# KiCad board Left.kicad_pcb
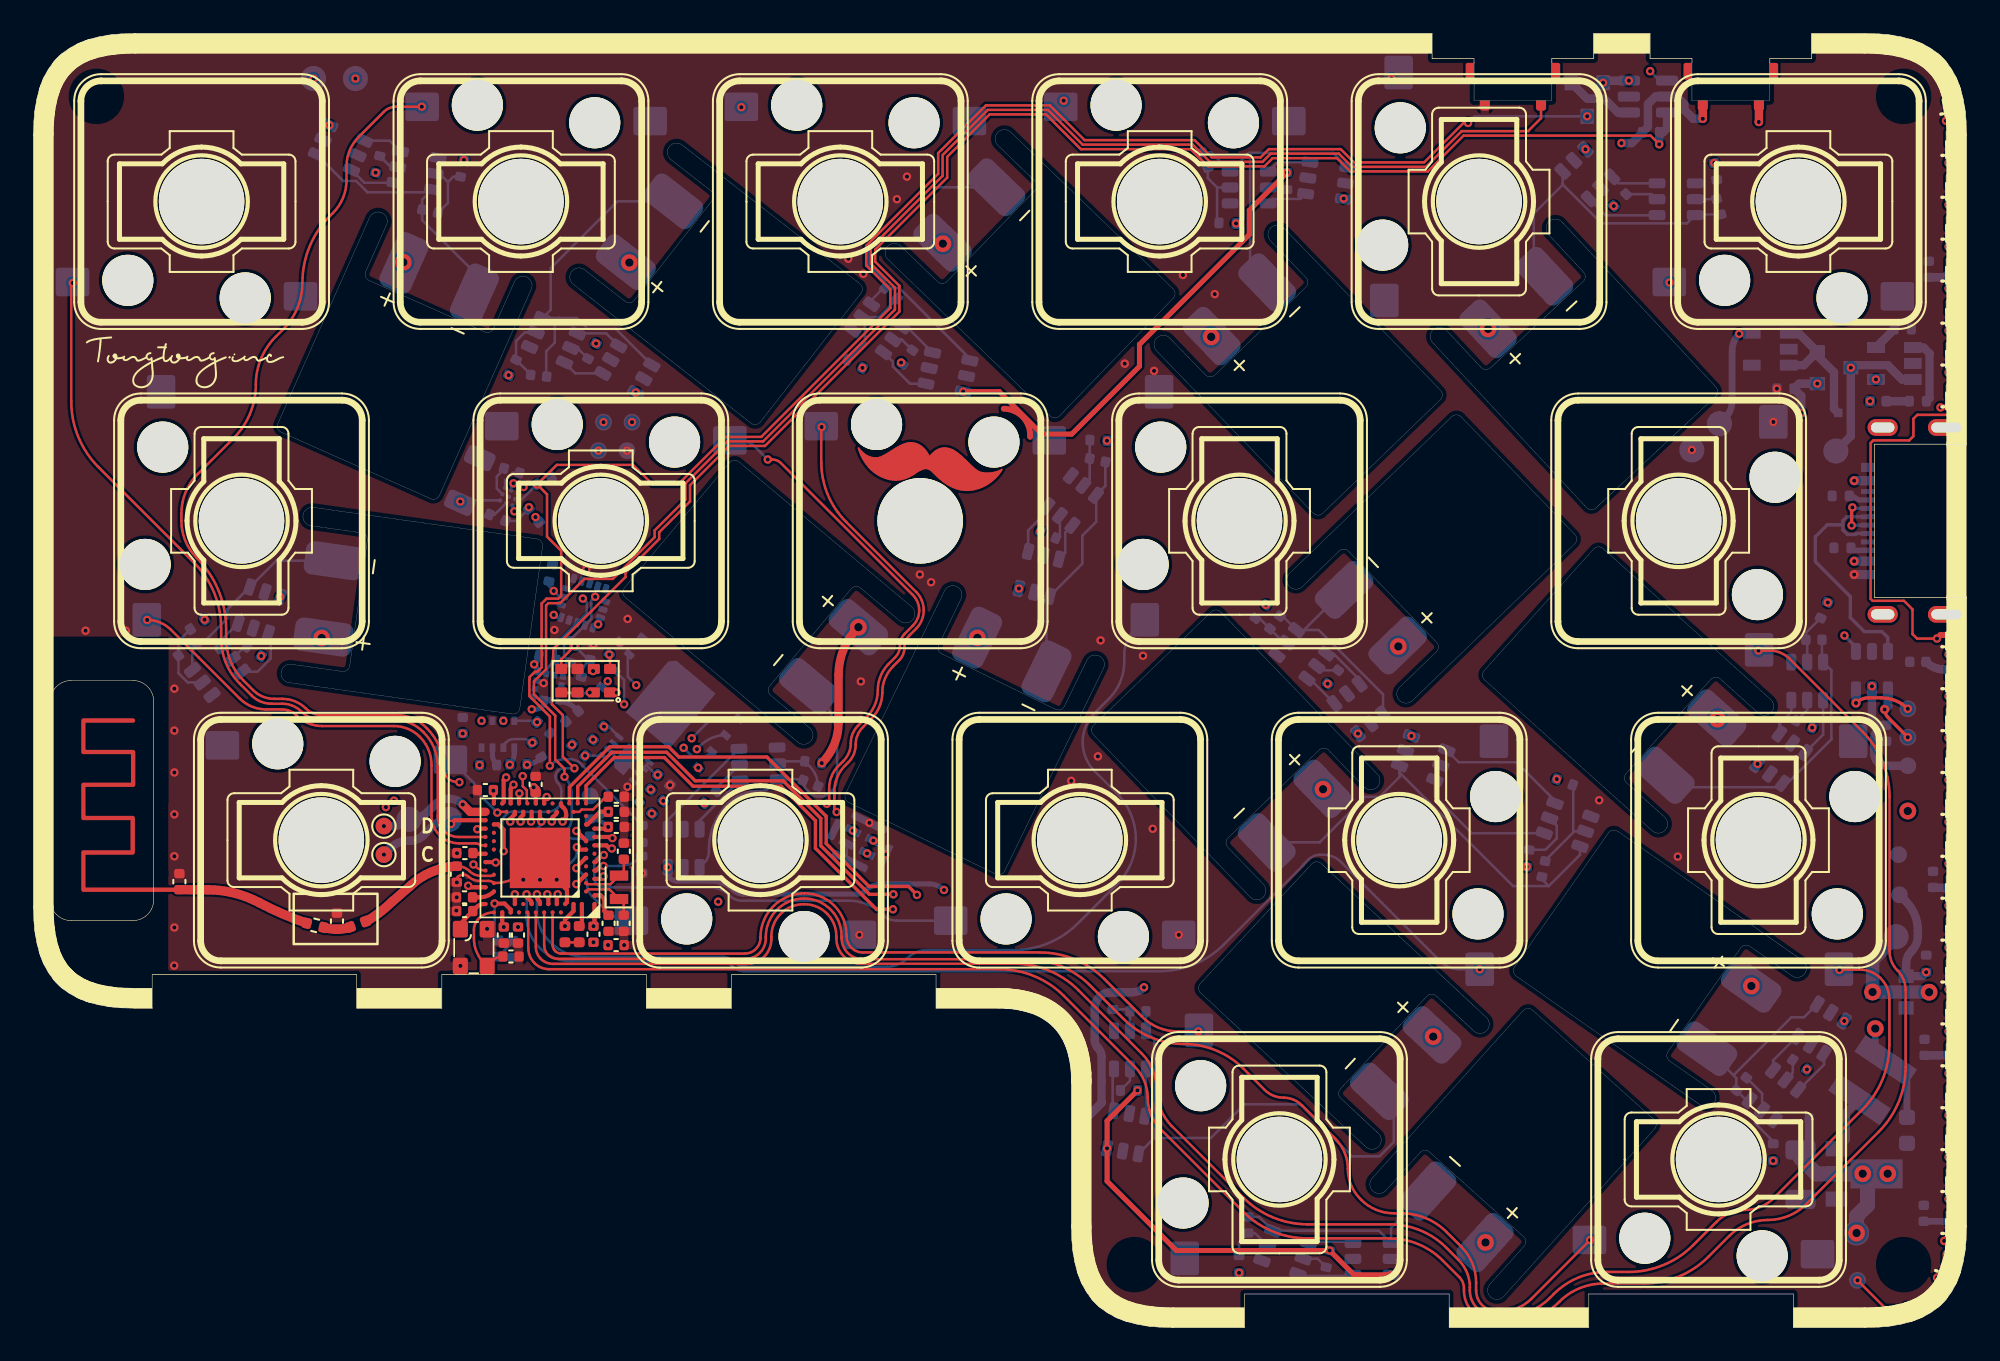
[diagram p0: board, top side]
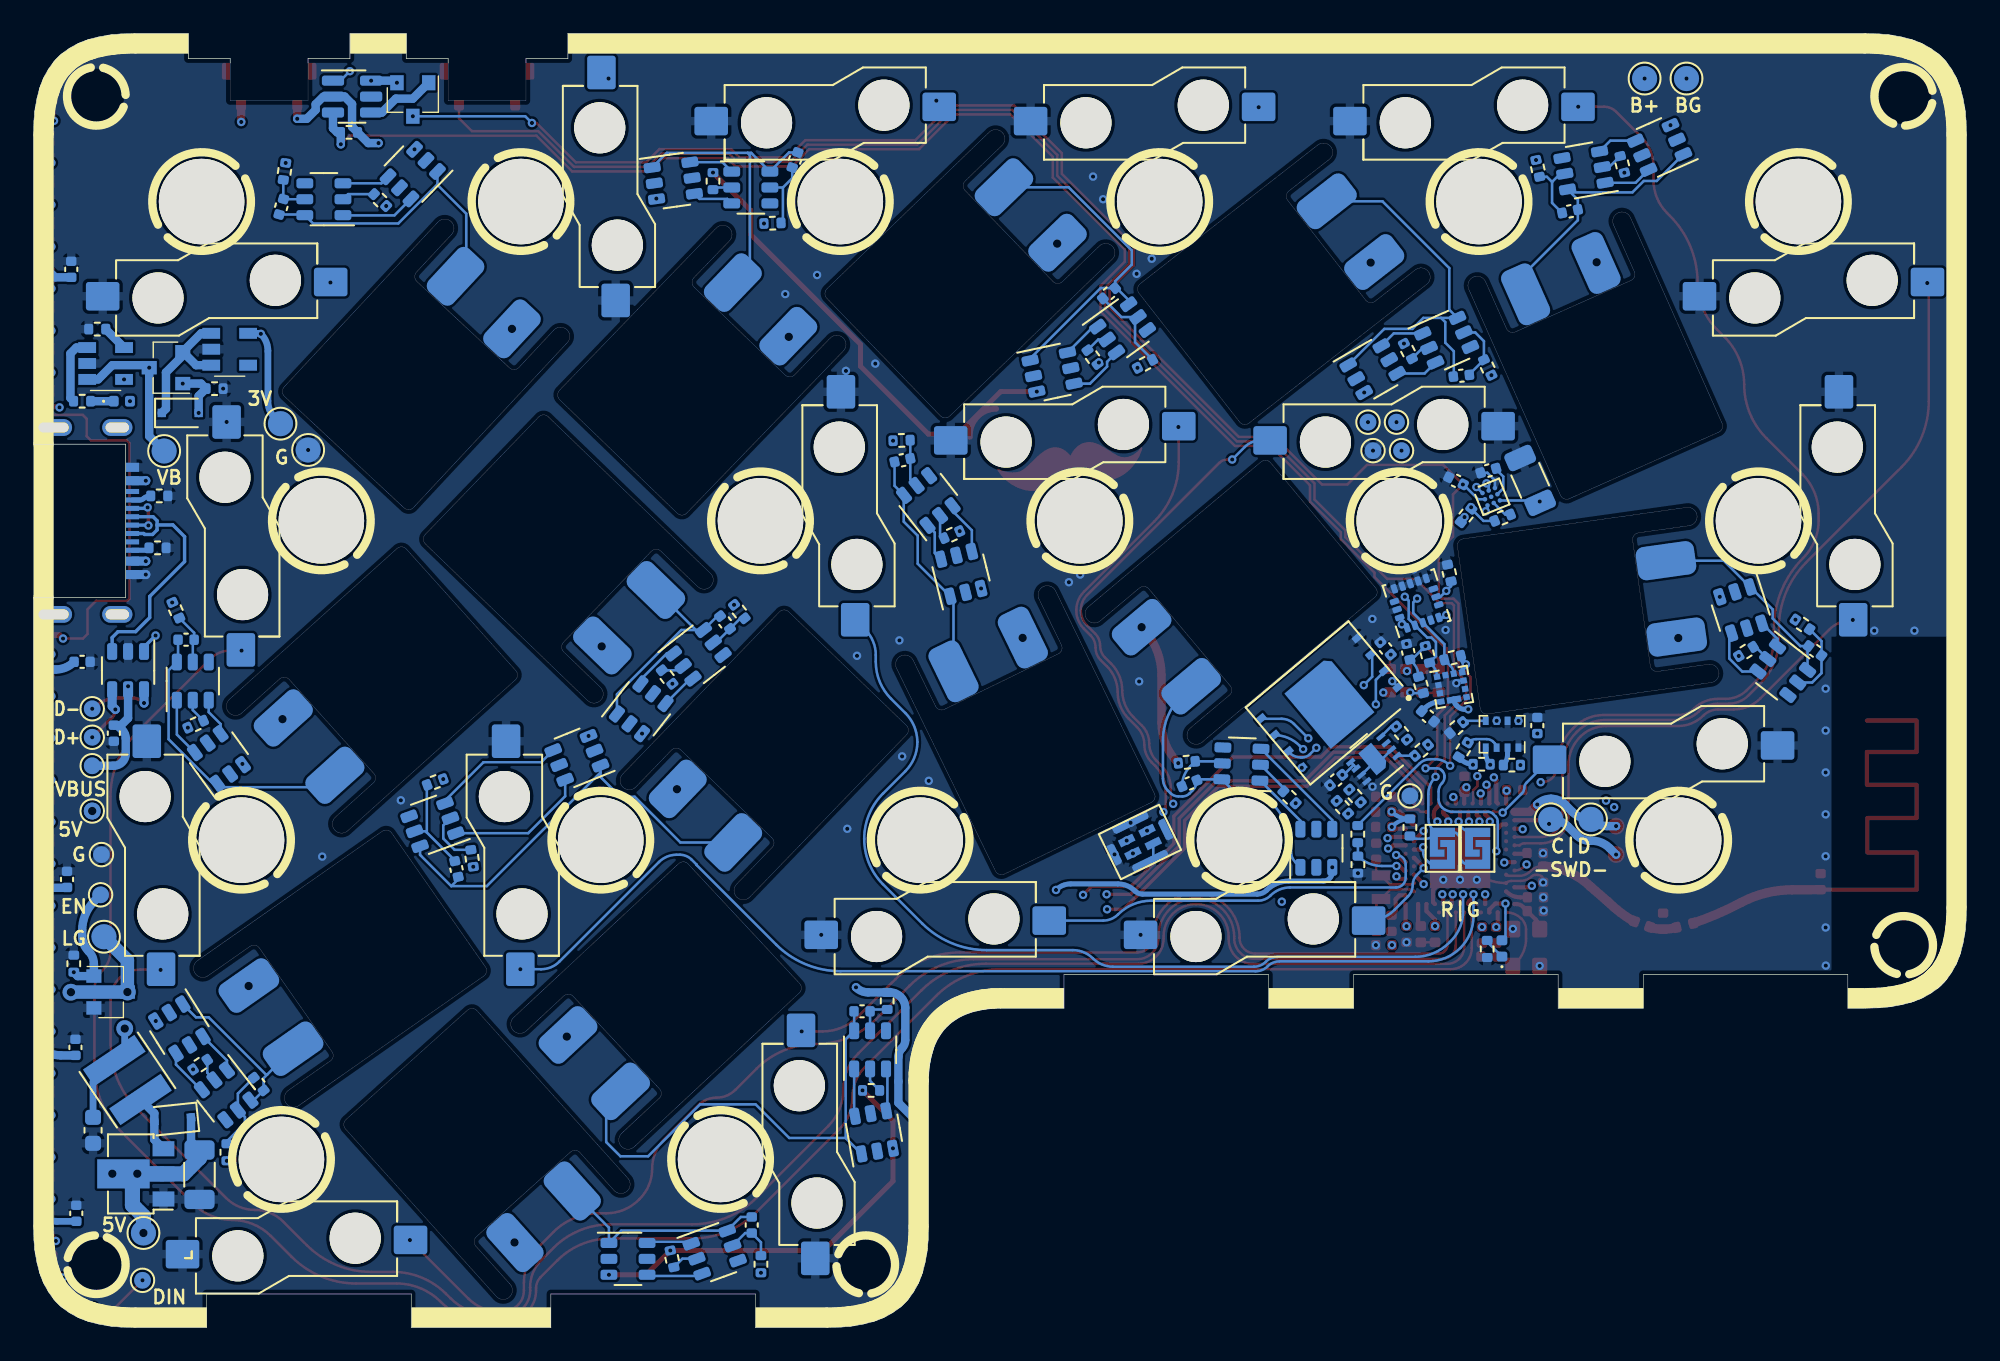
[diagram p1: board, bottom side, seen from below]

Outline 115.3 x 77.2 mm; copper layers: Top, In1.Cu, In2.Cu, Bottom. Coordinates in mm from the lower left corner of the outline.
Outline path: circle c3.75,73.45 r1.4 ; circle c3.75,22.8 r1.4 ; circle c65.66,3.75 r1.4 ; circle c111.55,73.45 r1.4 ; circle c111.55,3.75 r1.4 ; 85.93,75.45 85.93,75.7 83.43,75.7 83.43,77.2 6,77.2 5.22,77.18 4.68,77.13 4.48,77.11 3.88,77 3.31,76.85 3.13,76.79 2.78,76.65 2.61,76.58 2.13,76.31 1.7,76 1.57,75.89 1.44,75.76 1.31,75.63 1.2,75.5 0.89,75.07 0.62,74.59 0.55,74.42 0.41,74.07 0.35,73.89 0.2,73.32 0.09,72.72 0.07,72.52 0.02,71.98 0,71.2 0,25.05 0.02,24.27 0.07,23.73 0.09,23.53 0.2,22.93 0.35,22.36 0.41,22.18 0.55,21.83 0.62,21.66 0.89,21.18 1.2,20.75 1.31,20.62 1.44,20.49 1.57,20.36 1.7,20.25 2.13,19.94 2.61,19.67 2.78,19.6 3.13,19.46 3.31,19.4 3.88,19.25 4.48,19.14 4.68,19.12 5.22,19.07 6,19.05 7.08,19.05 7.08,21.05 19.28,21.05 19.28,19.05 24.36,19.05 24.36,21.05 36.56,21.05 36.56,19.05 41.63,19.05 41.63,21.05 53.83,21.05 53.83,19.05 57.63,19.05 57.96,19.04 58.02,19.04 58.18,19.02 58.49,18.99 58.64,18.97 58.85,18.93 59.07,18.88 59.23,18.84 59.48,18.76 59.61,18.72 59.86,18.61 59.98,18.55 60.13,18.47 60.26,18.39 60.32,18.35 60.45,18.26 60.63,18.13 60.72,18.04 60.9,17.86 60.99,17.77 61.12,17.59 61.22,17.45 61.25,17.4 61.33,17.27 61.42,17.12 61.47,17 61.58,16.75 61.63,16.62 61.7,16.37 61.74,16.21 61.79,15.99 61.83,15.78 61.85,15.63 61.89,15.31 61.9,15.15 61.9,15.1 61.91,14.77 61.91,6 61.93,5.22 61.98,4.68 62.01,4.48 62.12,3.88 62.26,3.31 62.32,3.13 62.46,2.78 62.53,2.61 62.8,2.13 63.11,1.7 63.23,1.57 63.35,1.44 63.48,1.31 63.61,1.2 64.05,0.89 64.52,0.62 64.69,0.55 65.04,0.41 65.22,0.35 65.79,0.2 66.39,0.09 66.6,0.07 67.13,0.02 67.91,0 72.24,0 72.24,2 84.44,2 84.44,0 92.77,0 92.77,2 104.97,2 104.97,0 109.3,0 110.08,0.02 110.62,0.07 110.82,0.09 111.42,0.2 111.99,0.35 112.17,0.41 112.52,0.55 112.69,0.62 113.17,0.89 113.6,1.2 113.73,1.31 113.86,1.44 113.98,1.57 114.1,1.7 114.41,2.13 114.68,2.61 114.75,2.78 114.89,3.13 114.95,3.31 115.1,3.88 115.2,4.48 115.23,4.68 115.28,5.22 115.3,6 115.3,43.55 109.8,43.55 109.8,52.7 115.3,52.7 115.3,71.2 115.28,71.98 115.23,72.52 115.2,72.72 115.1,73.32 114.95,73.89 114.89,74.07 114.75,74.42 114.68,74.59 114.41,75.07 114.1,75.5 113.98,75.63 113.86,75.76 113.73,75.89 113.6,76 113.17,76.31 112.69,76.58 112.52,76.65 112.17,76.79 111.99,76.85 111.42,77 110.82,77.11 110.62,77.13 110.08,77.18 109.3,77.2 106.07,77.2 106.07,75.7 103.57,75.7 103.57,75.45 ; 90.57,75.45 90.57,75.7 93.07,75.7 93.07,77.2 96.43,77.2 96.43,75.7 98.93,75.7 98.93,75.45
Stack: Top 0.035mm / dielectric 0.2104mm FR4 er 4.5 / In1.Cu 0.0152mm / dielectric 0.4mm FR4 er 4.5 / In2.Cu 0.0152mm / dielectric 0.2104mm FR4 er 4.5 / Bottom 0.035mm

## Placement (name value [footprint] x y rotation side)
AE1  Antenna  [2.4GHz-meander-antenna-v2]  8.7 26.12 270 top
B1  Battery  [BatteryV2]  100.34 55.83 223 top
B2  Battery  [BatteryV2]  23.95 49.55 156 top
B3  Battery  [BatteryV2]  67.97 61.69 226 top
B4  Battery  [BatteryV2]  69.61 20.24 47 top
B5  Battery  [BatteryV2]  84.88 54.33 314 top
B6  Battery  [BatteryV2]  83.92 55.63 224 top
B7  Battery  [BatteryV2]  86.55 38.91 48 top
B8  Battery  [BatteryV2]  63.23 35.64 44 top
B9  Battery  [BatteryV2]  57.66 27.14 154 top
B10  Battery  [BatteryV2]  88.4 21.24 55 top
B11  Battery  [BatteryV2]  89.13 18.92 318 top
B12  Battery  [BatteryV2]  49.32 61.99 232 top
B13  Battery  [BatteryV2]  30.19 46.82 262 top
B14  Battery  [BatteryV2]  35.27 43.84 50 top
C1  100nF  [C_0402_1005Metric]  100.52 66.86 286 bottom
C2  100nF  [C_0402_1005Metric]  23.65 66.59 168 bottom
C3  100nF  [C_0402_1005Metric]  51.15 61.7 140 bottom
C4  100nF  [C_0402_1005Metric]  65.88 18.86 0 bottom
C5  100nF  [C_0402_1005Metric]  74.05 42.06 52 bottom
C6  100nF  [C_0402_1005Metric]  69.88 69.65 110 bottom
C7  100nF  [C_0402_1005Metric]  106.2 41.03 0 bottom
C8  100nF  [C_0402_1005Metric]  90.07 27.35 258 bottom
C9  100nF  [C_0402_1005Metric]  63.47 51.74 348 bottom
C10  100nF  [C_0402_1005Metric]  101.87 14.52 232 bottom
C11  100nF  [C_0402_1005Metric]  72.46 6.11 90 bottom
C12  100nF  [C_0402_1005Metric]  30.13 56.78 354 bottom
C13  100nF  [C_0402_1005Metric]  9.03 40.37 36 bottom
C14  100nF  [C_0402_1005Metric]  46.35 32.46 158 bottom
C16  100nF  [C_0402_1005Metric]  113.05 63.13 270 bottom
C17  100nF  [C_0402_1005Metric]  112.4 39.71 0 bottom
C18  100nF  [C_0402_1005Metric]  113.3 26.73 270 bottom
C19  100nF  [C_0402_1005Metric]  112.8 16.71 270 bottom
C20  100nF  [C_0402_1005Metric]  112.75 6.81 270 bottom
C21  100nF  [C_0402_1005Metric]  110.51 35.46 270 bottom
C22  12pF  [C_0402_1005Metric]  35.2 24.11 270 top
C23  12pF  [C_0402_1005Metric]  35.21 28.41 90 top
C24  4.7uF  [C_0402_1005Metric]  34.76 29.86 180 top
C25  4.7uF  [C_0402_1005Metric]  34.76 30.76 180 top
C26  100nF  [C_0402_1005Metric]  34.3 24.11 90 top
C27  4.7uF  [C_0402_1005Metric]  34.76 31.66 180 top
C28  1uF  [C_0402_1005Metric]  33.4 23.46 90 top
C29  1uF  [C_0402_1005Metric]  34.75 22.81 0 top
C30  47nF  [C_0402_1005Metric]  28.9 23.41 270 top
C31  100nF  [C_0402_1005Metric]  29.95 32.4 270 top
C32  100nF  [C_0402_1005Metric]  28.05 23.41 90 top
C33  100nF  [C_0402_1005Metric]  26.95 32.06 0 top
C34  820pF  [C_0402_1005Metric]  25.73 28.3 0 top
C35  1pF  [C_0402_1005Metric]  25.25 27.04 90 top
C36  12pF  [C_0402_1005Metric]  28.48 22.13 180 top
C37  12pF  [C_0402_1005Metric]  25.72 24.84 0 top
C38  100pF  [C_0402_1005Metric]  25.71 25.66 180 top
C39  1pF  [C_0402_1005Metric]  18.1 24.24 270 top
C40  1.5pF  [C_0402_1005Metric]  8.7 26.6 90 top
C41  0.47uF  [C_0402_1005Metric]  28.52 51.12 164 bottom
C42  0.1uF  [C_0402_1005Metric]  30.45 50.51 26 bottom
C43  47uF  [C_0603_1608Metric]  111.75 11.76 270 bottom
C44  100uF  [C_1206_3216Metric]  105.4 9.11 270 bottom
C45  100nF  [C_0402_1005Metric]  25.6 35.91 270 bottom
C46  100nF  [C_0402_1005Metric]  37.6 32.66 320 bottom
C47  1uF  [C_0402_1005Metric]  34.65 40.51 230 bottom
C48  0.1uF  [C_0402_1005Metric]  33.3 40.31 258 bottom
C49  0.1uF  [C_0402_1005Metric]  32.12 36.46 220 bottom
D1  1N5819  [D_SOD-323F]  106.55 54.56 180 bottom
D2  BLUE  [LED_0402_1005Metric]  27.71 22.61 90 bottom
D3  1N5819  [D_SOD-323F]  107 12.41 354 bottom
D4  RED  [LED_0402_1005Metric]  110.03 55.26 180 bottom
J1  USB-C USB 2.0 MC-372  [USB-C_C168688]  109.8 48.13 90 bottom
JP1  SolderJumper_2_Open  [SolderBridge]  31.26 28.59 270 bottom
JP2  SolderJumper_2_Open  [SolderBridge]  29.16 28.59 270 bottom
K1  KeyboardSwitch  [GateronHotswap]  10.03 67.18 0 top
K2  KeyboardSwitch  [GateronHotswap]  29.08 67.18 180 top
K3  KeyboardSwitch  [GateronHotswap]  48.12 67.18 180 top
K4  KeyboardSwitch  [GateronHotswap]  67.18 67.18 180 top
K5  KeyboardSwitch  [GateronHotswap]  86.22 67.18 270 top
K6  KeyboardSwitch  [GateronHotswap]  105.28 67.18 0 top
K7  KeyboardSwitch  [GateronHotswap]  12.41 48.13 270 top
K8  KeyboardSwitch  [GateronHotswap]  33.84 48.13 180 top
K9  KeyboardSwitch  [GateronHotswap]  52.89 48.13 180 top
K10  KeyboardSwitch  [GateronHotswap]  71.94 48.13 270 top
K11  KeyboardSwitch  [GateronHotswap]  98.13 48.13 90 top
K12  KeyboardSwitch  [GateronHotswap]  17.17 29.08 180 top
K13  KeyboardSwitch  [GateronHotswap]  43.36 29.08 0 top
K14  KeyboardSwitch  [GateronHotswap]  62.41 29.08 0 top
K15  KeyboardSwitch  [GateronHotswap]  81.46 29.08 90 top
K16  KeyboardSwitch  [GateronHotswap]  102.89 29.08 90 top
K17  KeyboardSwitch  [GateronHotswap]  74.32 10.03 270 top
K18  KeyboardSwitch  [GateronHotswap]  100.51 10.03 0 top
L1  15nH  [L_0402_1005Metric]  31.7 23.46 270 top
L2  10uH  [L_0402_1005Metric]  32.55 23.46 90 top
L3  3.9nH  [L_0402_1005Metric]  19.35 24.06 200 top
L4  22uH  [L_Taiyo-Yuden_NR-40xx]  109.7 14.76 236 bottom
Q1  AO3407  [SOT-23]  107.4 57.26 0 bottom
Q2  AO3407  [SOT-23]  92.68 73.26 270 bottom
Q3  8205A  [SOT-23-6-Small]  92.68 68.81 314 bottom
Q4  8205A  [SOT-23-6-Small]  18.31 70.4 336 bottom
Q5  8205A  [SOT-23-6-Small]  54.54 57 168 bottom
Q6  8205A  [SOT-23-6-Small#2]  65.17 11.64 80 bottom
Q7  8205A  [SOT-23-6-Small]  79.05 36.91 128 bottom
Q8  8205A  [SOT-23-6-Small]  77.14 68.42 172 bottom
Q9  8205A  [SOT-23-6-Small]  104.24 33.94 54 bottom
Q10  8205A  [SOT-23-6-Small]  82.89 33.98 338 bottom
Q11  DW01  [SOT-23-6-Small]  97.98 67.31 0 bottom
Q12  DW01  [SOT-23-6-Small#2]  22.84 69.03 350 bottom
Q13  DW01  [SOT-23-6-Small]  50.34 59.61 144 bottom
Q14  DW01  [SOT-23-6-Small]  65.4 16.56 90 bottom
Q15  DW01  [SOT-23-6-Small]  75.65 40.16 142 bottom
Q16  DW01  [SOT-23-6-Small]  72.51 68.01 180 bottom
Q17  DW01  [SOT-23-6-Small]  105.8 38.56 90 bottom
Q18  DW01  [SOT-23-6-Small]  91.5 29.99 340 bottom
Q19  8205A  [SOT-23-6-Small]  59.97 44.96 76 bottom
Q20  8205A  [SOT-23-6-Small]  106.6 17.82 238 bottom
Q21  8205A  [SOT-23-6-Small]  79.84 4.09 180 bottom
Q22  8205A  [SOT-23-6-Small]  35.42 57.17 150 bottom
Q23  DW01  [SOT-23-6-Small]  61.93 49.34 52 bottom
Q24  DW01  [SOT-23-6-Small]  103.81 13.87 232 bottom
Q25  DW01  [SOT-23-6-Small]  74.67 4.49 160 bottom
Q26  DW01  [SOT-23-6-Small]  31.02 58.9 156 bottom
Q27  8205A  [SOT-23-6-Small]  13.46 42.8 252 bottom
Q28  8205A  [SOT-23-6-Small]  38.78 28.59 90 bottom
Q30  DW01  [SOT-23-6-Small]  10.96 39.18 218 bottom
Q31  DW01  [SOT-23-6-Small]  43.25 33.61 2 bottom
Q33  AO3400A  [SOT-23]  110.7 20.01 180 bottom
R1  100K  [R_0402_1005Metric]  104.5 56.01 180 bottom
R2  5.1K  [R_0402_1005Metric]  96.48 71.3 180 bottom
R3  1K  [R_0402_1005Metric]  94.63 67.26 44 bottom
R4  1K  [R_0402_1005Metric]  20.53 69.39 76 bottom
R5  1K  [R_0402_1005Metric]  52.13 57.89 54 bottom
R6  1K  [R_0402_1005Metric]  65.34 14.14 180 bottom
R7  1K  [R_0402_1005Metric]  77.51 38.81 52 bottom
R8  1K  [R_0402_1005Metric]  74.77 68.39 270 bottom
R9  1K  [R_0402_1005Metric]  105.63 35.99 156 bottom
R10  1K  [R_0402_1005Metric]  89.14 27.99 82 bottom
R11  100  [R_0402_1005Metric]  100.33 68.97 278 bottom
R12  100  [R_0402_1005Metric]  25.57 69.15 258 bottom
R13  100  [R_0402_1005Metric]  49 57.49 152 bottom
R14  100  [R_0402_1005Metric]  64.38 19.48 270 bottom
R15  100  [R_0402_1005Metric]  73.2 42.71 232 bottom
R16  100  [R_0402_1005Metric]  71.22 65.88 178 bottom
R17  100  [R_0402_1005Metric]  106.81 42.79 246 bottom
R18  100  [R_0402_1005Metric]  91.34 32.54 340 bottom
R19  1K  [R_0402_1005Metric]  60.52 47.3 336 bottom
R20  1K  [R_0402_1005Metric]  105.36 15.68 146 bottom
R21  1K  [R_0402_1005Metric]  77.21 4.09 258 bottom
R22  1K  [R_0402_1005Metric]  33.32 58.25 242 bottom
R23  100  [R_0402_1005Metric]  63.52 52.92 178 bottom
R24  100  [R_0402_1005Metric]  103.77 10.45 90 bottom
R25  100  [R_0402_1005Metric]  71.91 3.77 90 bottom
R26  100  [R_0402_1005Metric]  28.56 57.27 64 bottom
R27  1K  [R_0402_1005Metric]  13.15 40.33 148 bottom
R28  1K  [R_0402_1005Metric]  40.38 31.63 44 bottom
R30  100  [R_0402_1005Metric]  9.78 41.94 214 bottom
R31  100  [R_0402_1005Metric]  46.51 33.72 174 bottom
R33  5.1K  [R_0402_1005Metric]  107.8 49.61 180 bottom
R34  5.1K  [R_0402_1005Metric]  107.9 46.51 180 bottom
R35  5.1K  [R_0402_1005Metric]  33.2 29.83 90 bottom
R36  4.7K  [R_0402_1005Metric]  36.47 31.71 48 bottom
R37  4.7K  [R_0402_1005Metric]  37.22 31.04 48 bottom
R38  1K  [R_0402_1005Metric]  28.59 22.58 270 bottom
R39  0R  [R_0402_1005Metric]  16.8 23.99 166 top
R40  820K  [R_0402_1005Metric]  36.31 29.43 270 bottom
R41  2M  [R_0402_1005Metric]  36.3 27.61 270 bottom
R42  0.010  [R_1206_3216Metric]  26.03 50.54 66 bottom
R43  10k  [R_0402_1005Metric]  27.67 48.31 158 bottom
R44  1K  [R_0402_1005Metric]  112.4 55.26 0 bottom
R45  12K  [R_0402_1005Metric]  111.5 59.56 0 bottom
R46  2M  [R_0402_1005Metric]  112.9 21.71 90 bottom
R47  4.7K  [R_0402_1005Metric]  30.85 45.01 78 bottom
R48  10K  [R_0402_1005Metric]  27.12 33.55 180 bottom
R49  10K  [R_0402_1005Metric]  28.92 33.6 0 bottom
R50  10K  [R_0402_1005Metric]  30.42 35.79 140 bottom
R51  10K  [R_0402_1005Metric]  30.02 34.46 302 bottom
R52  10K  [R_0402_1005Metric]  32.51 34.44 140 bottom
R53  10K  [R_0402_1005Metric]  33.7 35.46 230 bottom
R54  10K  [R_0402_1005Metric]  32.54 38.33 74 bottom
R55  10K  [R_0402_1005Metric]  32.15 40.16 76 bottom
R56  10K  [R_0402_1005Metric]  30.65 39.96 166 bottom
REF**  -  [TestPoint_Pad_D1.0mm]  20.9 29.91 0 top
REF**#2  -  [TestPoint_Pad_D1.0mm]  20.9 28.21 0 top
REF**#3  -  [TestPoint_Pad_D1.0mm]  111.8 30.81 0 bottom
REF**#4  -  [TestPoint_Pad_D1.5mm]  98.92 52.35 180 bottom
REF**#5  -  [TestPoint_Pad_D1.0mm]  111.25 28.21 180 bottom
REF**#6  -  [TestPoint_Pad_D1.5mm]  24.8 30.31 90 bottom
REF**#7  -  [TestPoint_Pad_D1.5mm]  107.51 52.29 180 bottom
REF**#8  -  [TestPoint_Pad_D1.0mm]  35.4 52.31 180 bottom
REF**#9  -  [TestPoint_Pad_D1.5mm]  22.4 30.31 90 bottom
REF**#10  -  [TestPoint_Pad_D1.0mm]  33.7 52.31 180 bottom
REF**#11  -  [TestPoint_Pad_D1.5mm]  111.1 23.31 180 bottom
REF**#12  -  [TestPoint_Pad_D1.5mm]  19.2 74.51 0 bottom
REF**#13  -  [TestPoint_Pad_D1.0mm]  111.8 33.51 0 bottom
REF**#14  -  [TestPoint_Pad_D1.5mm]  16.7 74.51 0 bottom
REF**#15  -  [TestPoint_Pad_D1.0mm]  34 54.01 180 bottom
REF**#16  -  [TestPoint_Pad_D1.0mm]  33.2 31.71 270 bottom
REF**#17  -  [TestPoint_Pad_D1.0mm]  111.8 35.21 0 bottom
REF**#18  -  [TestPoint_Pad_D1.5mm]  108.74 5.64 180 bottom
REF**#19  -  [TestPoint_Pad_D1.0mm]  35.7 54.01 180 bottom
REF**#20  -  [TestPoint_Pad_D1.0mm]  108.8 2.81 180 bottom
REF**#21  -  [TestPoint_Pad_D1.0mm]  111.3 25.81 180 bottom
REF**#22  -  [TestPoint_Pad_D1.5mm]  100.57 53.92 180 bottom
REF**#23  -  [TestPoint_Pad_D1.0mm]  111.8 36.91 0 bottom
TH1  Thermistor_NTC  [R_0402_1005Metric]  29.85 48.44 308 bottom
U1  AP2112K-3.3  [SOT-23-5]  103.6 58.36 180 bottom
U2  -  [Button]  101.25 73.2 0 top
U3  MAX16054  [SOT-23-6]  96.3 73.44 180 bottom
U4  WS2812B_-_1010  [Led-ARGB]  114.45 72.86 10 top
U5  WS2812B_-_1010  [Led-ARGB]  114.58 70.28 0 top
U6  WS2812B_-_1010  [Led-ARGB]  114.58 67.78 0 top
U7  WS2812B_-_1010  [Led-ARGB]  114.58 65.28 0 top
U8  WS2812B_-_1010  [Led-ARGB]  114.58 62.78 0 top
U9  WS2812B_-_1010  [Led-ARGB]  114.58 60.27 0 top
U10  WS2812B_-_1010  [Led-ARGB]  114.58 57.77 0 top
U11  WS2812B_-_1010  [Led-ARGB]  114.58 55.28 0 top
U12  WS2812B_-_1010  [Led-ARGB]  114.58 40.96 0 top
U13  WS2812B_-_1010  [Led-ARGB]  114.58 38.46 0 top
U14  WS2812B_-_1010  [Led-ARGB]  114.58 35.96 0 top
U15  WS2812B_-_1010  [Led-ARGB]  114.58 33.46 0 top
U16  WS2812B_-_1010  [Led-ARGB]  114.58 30.96 0 top
U17  WS2812B_-_1010  [Led-ARGB]  114.58 28.46 0 top
U18  WS2812B_-_1010  [Led-ARGB]  114.58 25.96 0 top
U19  WS2812B_-_1010  [Led-ARGB]  114.58 23.46 0 top
U20  WS2812B_-_1010  [Led-ARGB]  114.58 20.96 0 top
U21  WS2812B_-_1010  [Led-ARGB]  114.58 18.46 0 top
U22  WS2812B_-_1010  [Led-ARGB]  114.58 15.96 0 top
U23  WS2812B_-_1010  [Led-ARGB]  114.58 13.46 0 top
U24  WS2812B_-_1010  [Led-ARGB]  114.58 10.96 0 top
U25  WS2812B_-_1010  [Led-ARGB]  114.58 8.46 0 top
U26  WS2812B_-_1010  [Led-ARGB]  114.58 5.96 0 top
U27  WS2812B_-_1010  [Led-ARGB]  114.28 3.5 342 top
U28  USBLC6-2SC6  [SOT-23-6-Small]  109.66 39.19 270 bottom
U29  -  [Button]  88.25 73.2 0 top
U30  nRF52840_aQFN73  [AQFN-73-1EP_7x7mm_P0.5mm_NRF52840-custom]  30.21 28.01 180 top
U31  MAX17055  [WLP-9_1.448x1.468mm_Layout3x3_P0.4mm_Ball0.27mm_Pad0.25mm]  28.35 49.56 158 bottom
U32  BL8530_501SM  [SOT-89-3]  109.2 9.16 0 bottom
U33  TP4054  [SOT-23-5]  111 57.51 180 bottom
U34  LSM6DS33  [LGA-16_3x3mm_P0.5mm_LayoutBorder3x5y]  32.8 43.21 72 bottom
U35  BMP280  [Bosch_LGA-8_2x2.5mm_P0.65mm_ClockwisePinNumbering]  27.7 35.39 0 bottom
U36  SHT30-DIS  [Sensirion_DFN-8-1EP_2.5x2.5mm_P0.5mm_EP1.1x1.7mm]  35.35 33.91 320 bottom
U37  -  [APDS-9960]  32.94 38.59 270 top
U38  PDM_Mic  [SPK0415HM4H]  49.3 28.96 244 bottom
U39  GD25Q  [WSON8]  38 37.26 320 bottom
U40  LIS3MDL  [LGA-12_2x2mm_P0.5mm]  30.7 38.21 170 bottom
X1  32.768 kHz  [Crystal_SMD_2012-2Pin_2.0x1.2mm]  34.93 26.26 90 top
X2  32MHZ  [crystal 32mhz]  26.26 22.66 270 top

## Library data of the parts
X1 = -: Digikey: 728-1075-1-ND; JLC Part: C93231; LCSC Part: C97607; Manufacturer Part: SC20S-12.5PF20PPM

## Footprints (pads in the part's own frame, mm; a bottom-side part is the same pattern mirrored in y, then rotated)
2.4GHz-meander-antenna-v2
  custom 10.346x5.981 smd: 1(0,0)
APDS-9960
  rrect 0.6x0.72 smd: 1(0.7,1.455) 2(0.7,0.485) 3(0.7,-0.485) 4(0.7,-1.455) 5(-0.7,-1.455) 6(-0.7,-0.485) 7(-0.7,0.485) 8(-0.7,1.455)
AQFN-73-1EP_7x7mm_P0.5mm_NRF52840-custom
  rrect 0.575x0.575 smd: (-1.5,1.5) (-1.5,0.5) (-1.5,-0.5) (-1.5,-1.5) (-0.5,1.5) (-0.5,0.5) (-0.5,-0.5) (-0.5,-1.5) (0.5,1.5) (0.5,0.5) (0.5,-0.5) (0.5,-1.5) (1.5,1.5) (1.5,0.5) (1.5,-0.5) (1.5,-1.5)
  round 0.25 smd: A8(-1.25,3.25) A10(-0.75,3.25) A12(-0.25,3.25) A14(0.25,3.25) A16(0.75,3.25) A18(1.25,3.25) A20(1.75,3.25) A22(2.25,3.25) A23(2.75,3.25) AA24(3.25,-2.25) AB2(-2.75,-2.5) AC5(-2,-2.75) AC9(-1,-2.75) AC11(-0.5,-2.75) AC13(0,-2.75) AC15(0.5,-2.75) AC17(1,-2.75) AC19(1.5,-2.75) AC21(2,-2.75) AC24(3.25,-2.75) AD2(-2.75,-3.25) AD4(-2.25,-3.25) AD6(-1.75,-3.25) AD8(-1.25,-3.25) AD10(-0.75,-3.25) AD12(-0.25,-3.25) AD14(0.25,-3.25) AD16(0.75,-3.25) AD18(1.25,-3.25) AD20(1.75,-3.25) AD22(2.25,-3.25) AD23(2.75,-3.25) B1(-3.25,2.75) B3(-2.5,2.75) B5(-2,2.75) B7(-1.5,2.75) B9(-1,2.75) B11(-0.5,2.75) B13(0,2.75) B15(0.5,2.75) B17(1,2.75) B19(1.5,2.75) B24(3.25,2.75) C1(-3.25,2.25) D2(-2.75,2) D23(2.75,2) E24(3.25,1.75) F2(-2.75,1.5) F23(2.75,1.5) G1(-3.25,1.25) H2(-2.75,1) H23(2.75,1) J1(-3.25,0.75) J24(3.25,0.75) K2(-2.75,0.5) L1(-3.25,0.25) L24(3.25,0.25) M2(-2.75,0) N1(-3.25,-0.25) N24(3.25,-0.25) P2(-2.75,-0.5) P23(2.75,-0.5) R1(-3.25,-0.75) R24(3.25,-0.75) T2(-2.75,-1) T23(2.75,-1) U1(-3.25,-1.25) U24(3.25,-1.25) V23(2.75,-1.5) W1(-3.25,-1.75) W24(3.25,-1.75) Y2(-2.75,-2) Y23(2.75,-2)
  rect 3.6x3.6 smd: EP(0,0)
BatteryV2
  rrect 2x3.5 smd far side: 1(2.775,-12) 2(7.375,-12)
Bosch_LGA-8_2x2.5mm_P0.65mm_ClockwisePinNumbering
  rect 0.35x0.5 smd: 1(-0.975,0.8) 2(-0.325,0.8) 3(0.325,0.8) 4(0.975,0.8) 5(0.975,-0.8) 6(0.325,-0.8) 7(-0.325,-0.8) 8(-0.975,-0.8)
Button
  rrect 0.5x1 smd: 1(2.57,1.75) 4(-2.57,1.75)
  rrect 0.6x0.6 smd: 2(-1.675,-0.3) 3(1.675,-0.3)
C_0402_1005Metric
  rrect 0.56x0.62 smd: 1(-0.48,0) 2(0.48,0)
C_0603_1608Metric
  rrect 0.9x0.95 smd: 1(-0.775,0) 2(0.775,0)
C_1206_3216Metric
  rrect 1.15x1.8 smd: 1(-1.475,0) 2(1.475,0)
crystal 32mhz
  rrect 1x0.9 smd: 1(-1.1,-0.8) 2(1.1,-0.8) 3(1.1,0.8) 4(-1.1,0.8)
Crystal_SMD_2012-2Pin_2.0x1.2mm
  rect 0.6x1.1 smd: 1(-0.7,0) 2(0.7,0)
D_SOD-323F
  rect 0.5x0.5 smd: 1(-1.1,0) 2(1.1,0)
GateronHotswap
  round 3.05 hole 3.05 unplated: (-4.4,-4.7) (2.6,-5.75)
  round 5.1 hole 5.1 unplated: (0,0)
  rrect 2x1.7 smd far side: 1(5.901,-5.65) 2(-7.701,-4.8)
L_0402_1005Metric
  rrect 0.59x0.64 smd: 1(-0.485,0) 2(0.485,0)
L_Taiyo-Yuden_NR-40xx
  rect 1.2x3.7 smd: 1(-1.4,0) 2(1.4,0)
Led-ARGB
  rrect 0.35x0.35 smd: 1(-0.35,0.35) 2(0.35,0.35) 3(-0.35,-0.35) 4(0.35,-0.35)
LED_0402_1005Metric
  rrect 0.59x0.64 smd: 1(-0.485,0) 2(0.485,0)
LGA-12_2x2mm_P0.5mm
  rect 0.375x0.35 smd: 1(-0.762,0.75) 2(-0.762,0.25) 3(-0.762,-0.25) 4(-0.762,-0.75) 7(0.762,-0.75) 8(0.762,-0.25) 9(0.762,0.25) 10(0.762,0.75)
  rect 0.35x0.375 smd: 5(-0.25,-0.762) 6(0.25,-0.762) 11(0.25,0.762) 12(-0.25,0.762)
LGA-16_3x3mm_P0.5mm_LayoutBorder3x5y
  rrect 0.55x0.35 smd: 1(-1.225,1) 2(-1.225,0.5) 3(-1.225,0) 4(-1.225,-0.5) 5(-1.225,-1) 9(1.225,-1) 10(1.225,-0.5) 11(1.225,0) 12(1.225,0.5) 13(1.225,1)
  rrect 0.35x0.55 smd: 6(-0.5,-1.225) 7(0,-1.225) 8(0.5,-1.225) 14(0.5,1.225) 15(0,1.225) 16(-0.5,1.225)
R_0402_1005Metric
  rrect 0.54x0.64 smd: 1(-0.51,0) 2(0.51,0)
R_1206_3216Metric
  rrect 1.125x1.75 smd: 1(-1.462,0) 2(1.462,0)
Sensirion_DFN-8-1EP_2.5x2.5mm_P0.5mm_EP1.1x1.7mm
  custom 0.9x1.6 smd: (0,0)
  rect 0.55x0.25 smd: 1(-1.175,0.75) 2(-1.175,0.25) 3(-1.175,-0.25) 4(-1.175,-0.75) 5(1.175,-0.75) 6(1.175,-0.25) 7(1.175,0.25) 8(1.175,0.75)
  custom 1x1.7 smd: 9(0,0)
SolderBridge
  custom 1.725x1.5 smd: 1(-0.975,0.5) 2(0.975,-0.5)
SOT-23
  rect 0.9x0.8 smd: 1(-1,0.95) 2(-1,-0.95) 3(1,0)
SOT-23-5
  rect 1.06x0.65 smd: 1(-1.1,0.95) 2(-1.1,0) 3(-1.1,-0.95) 4(1.1,-0.95) 5(1.1,0.95)
SOT-23-6
  rrect 1.325x0.6 smd: 1(-1.137,0.95) 2(-1.137,0) 3(-1.137,-0.95) 4(1.137,-0.95) 5(1.137,0) 6(1.137,0.95)
SOT-23-6-Small
  rrect 1x0.6 smd: 1(-1.137,0.95) 2(-1.137,0) 3(-1.137,-0.95) 4(1.137,-0.95) 5(1.137,0) 6(1.137,0.95)